# Altium PCB DC_PCB.PcbDoc
Units mm, origin at the board's own origin, x right, y up, seen from the top; angles counter-clockwise.
Board outline 128.78 x 80.39 mm, 2 copper layers (Top Layer, Bottom Layer); 60 components, 45 nets, 189 pads, 24 vias.
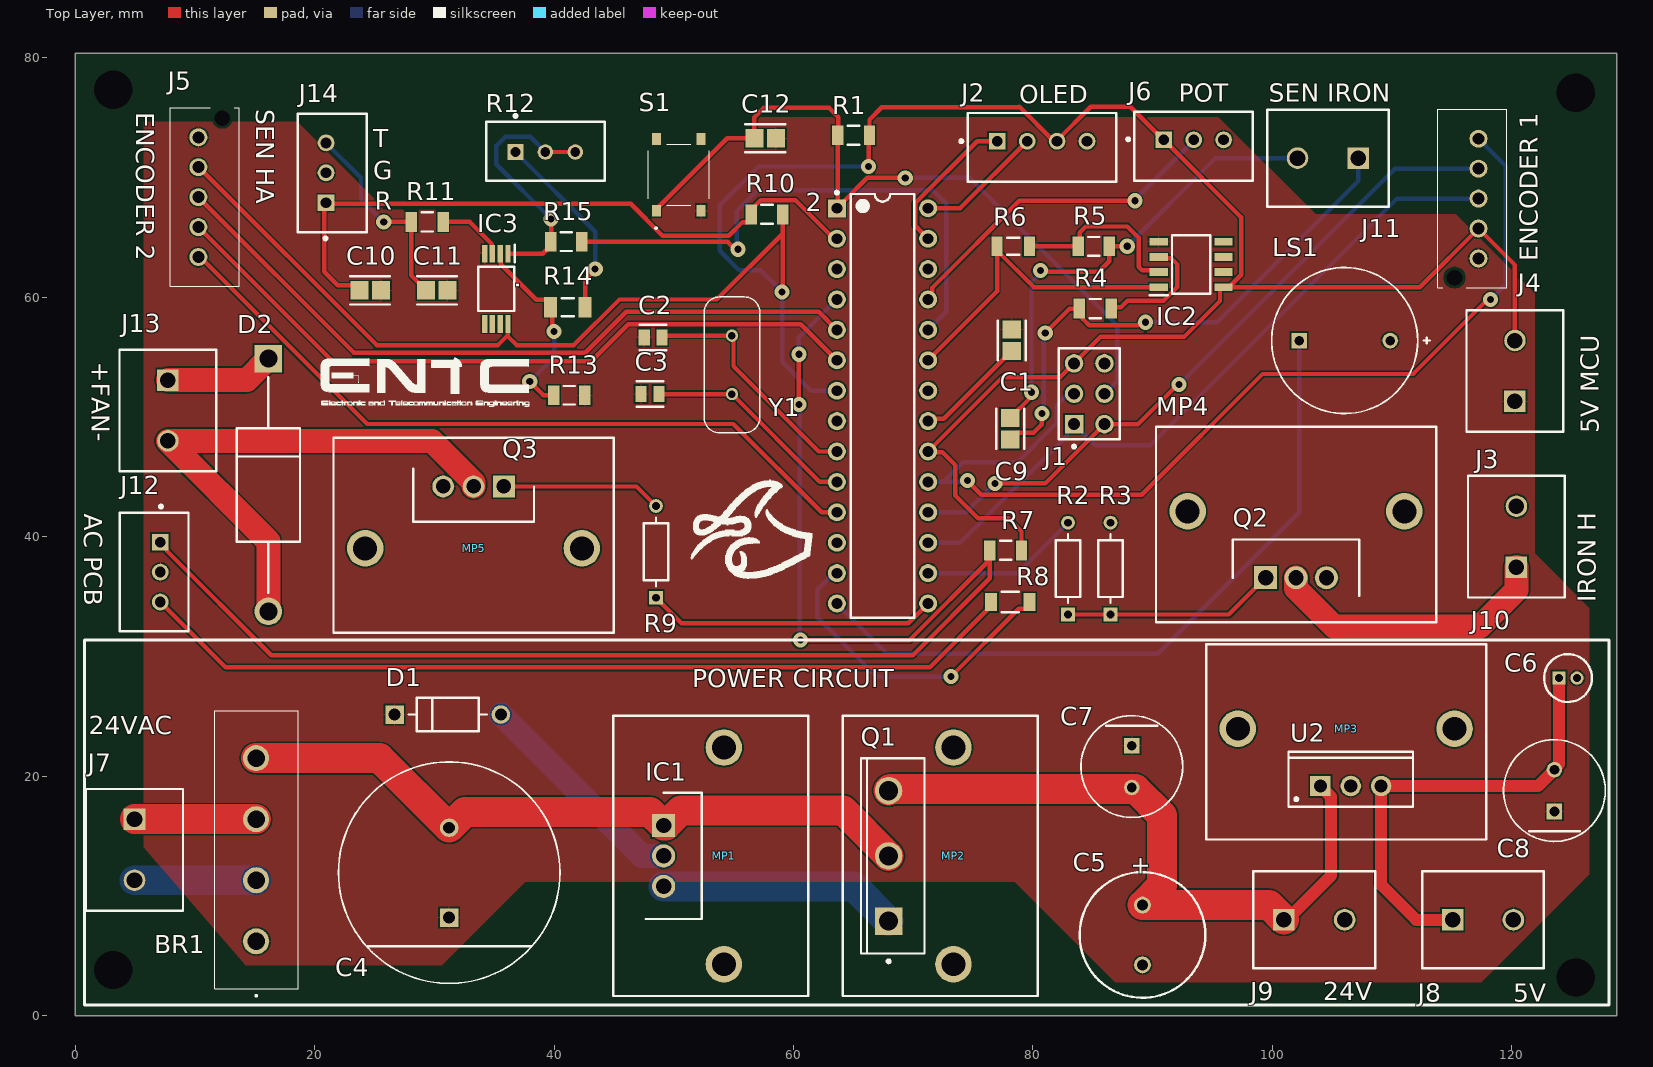
[diagram p0: Top Layer view]
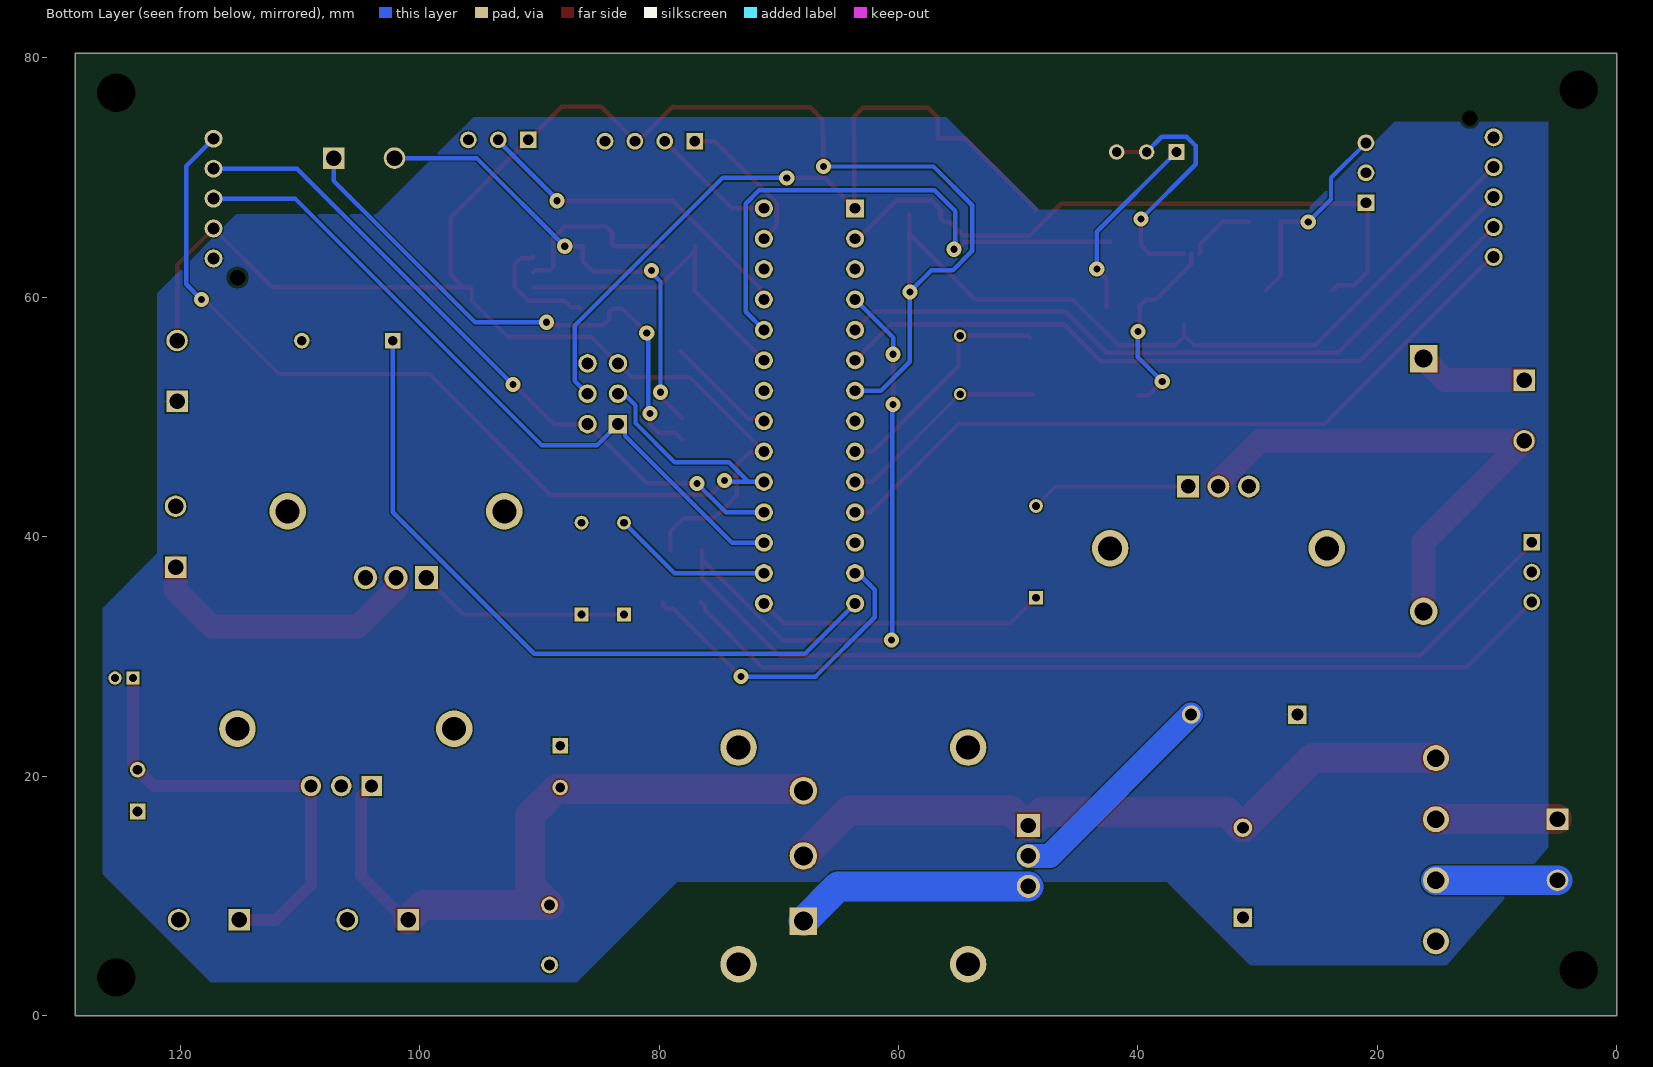
[diagram p1: Bottom Layer view, seen from below]
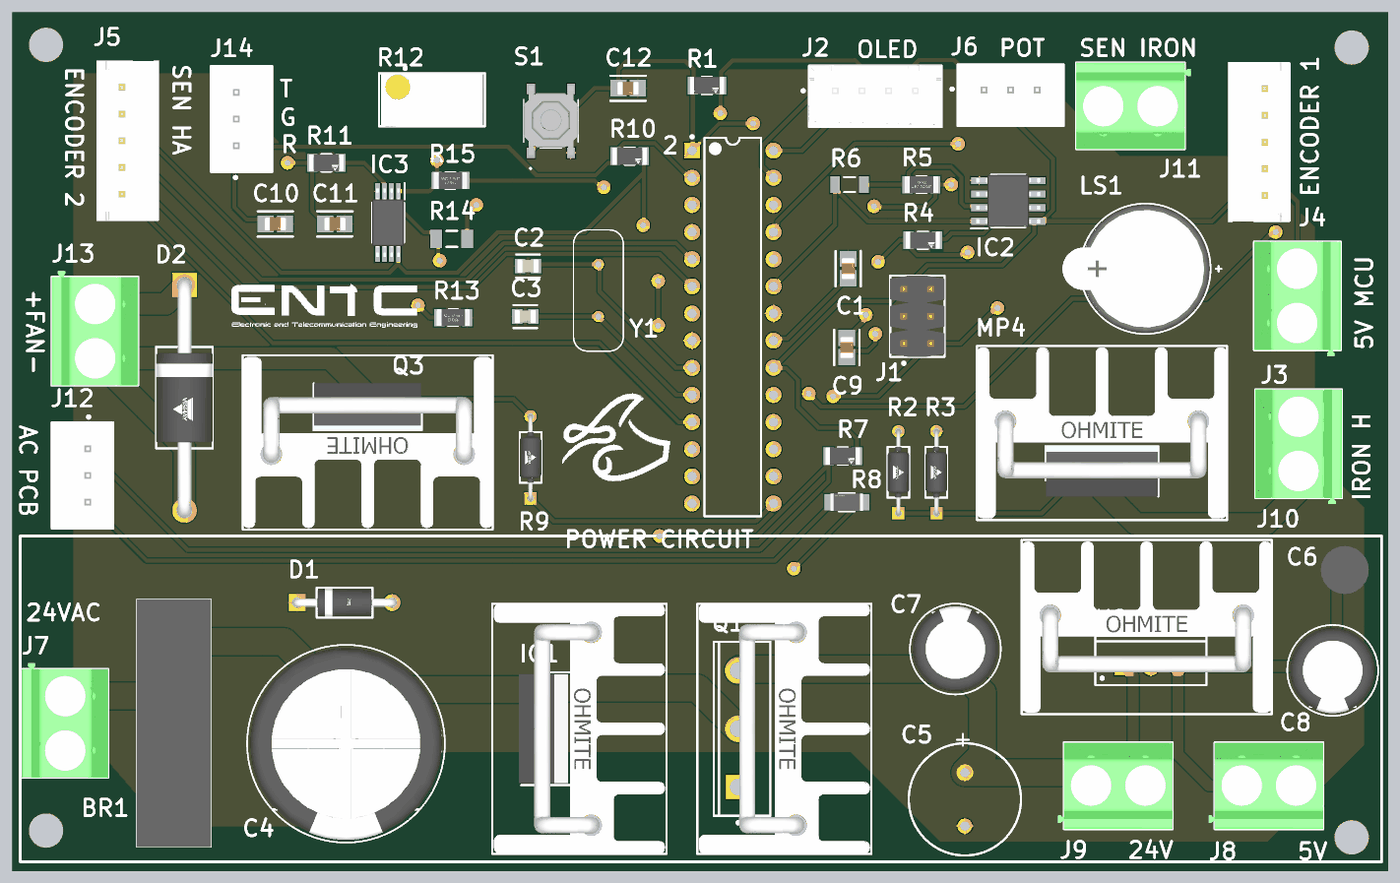
[diagram p2: 3D render of the assembled board from above, using the file's embedded part models]

## Layer stack, top to bottom
Top Solder: solder mask 0.0102, Solder Resist, Dk 3.5
Top Layer: signal copper 0.0356
Dielectric 1: dielectric 0.32, FR-4, Dk 4.8
Bottom Layer: signal copper 0.0356
Bottom Solder: solder mask 0.0102, Solder Resist, Dk 3.5

## Board outline
0,0 128.778,0 128.778,80.391 0,80.391

## Design rules (kind name [scope] priority, off if disabled: settings)
BoardOutlineClearance [All] p1: gap=0.2 ignorepadtopadclearanceinfootprint=FALSE
Clearance [All] p1: gap=0.127 ignorepadtopadclearanceinfootprint=FALSE except(0.25: Arc-Hole Track-Hole SMDPad-Hole THPad-Hole Via-Hole Fill-Hole Poly-Hole Region-Hole Text-Hole)
ComponentClearance [All] p1: gap=0.127 collisioncheckmode=3 verticalgap=0.127 showdistances=TRUE
DiffPairsRouting [All] p1: maxlimit=0.254 minlimit=0.127 mostfreqgap=0.127 toplayer_minwidth=0.127 toplayer_maxwidth=25.4 toplayer_prefwidth=0.127 bottomlayer_minwidth=0.127 bottomlayer_maxwidth=25.4 bottomlayer_prefwidth=0.127 maxuncoupledlength=12.7
Height [All] p1: minheight=0 maxheight=1816.048 prefheight=12.7
HoleSize [All] p1: absolutevalues=TRUE maxlimit=6.3 minlimit=0.3 maxpercent=80.000 minpercent=20.000
HoleToHoleClearance [All] p1: gap=0.25 allowstackedmicrovias=FALSE
MinimumAnnularRing [All] p1: minimumring=0.076
MinimumSolderMaskSliver [All] p1: minsoldermaskwidth=0
PlaneClearance [All] p1: clearance=0.127
PlaneConnect PlaneConnectPowerPads [InPadClass('PowerPads')] p1: planeconnectstyle=Direct reliefexpansion=0.508 reliefentries=4 reliefconductorwidth=0.254 reliefairgap=0.254
PlaneConnect [All] p2: pad.planeconnectstyle=Relief pad.reliefexpansion=0.3 pad.reliefentries=4 pad.reliefconductorwidth=0.127 pad.reliefairgap=0.127 via.planeconnectstyle=Direct via.reliefexpansion=0.3 via.reliefentries=4 via.reliefconductorwidth=0.127 via.reliefairgap=0.127
PolygonConnect PolygonConnectPowerPads [All vs (InPadClass('PowerPads'))] p1: connectstyle=Direct reliefconductorwidth=0.254 reliefentries=4 polygonreliefangle="90 Angle" airgapwidth=0.254
PolygonConnect [All] p2: thpad.connectstyle=Relief thpad.reliefconductorwidth=0.127 thpad.reliefentries=4 thpad.polygonreliefangle="90 Angle" thpad.airgapwidth=0.127 smdpad.connectstyle=Relief smdpad.reliefconductorwidth=0.127 smdpad.reliefentries=4 smdpad.polygonreliefangle="90 Angle" smdpad.airgapwidth=0.127 via.connectstyle=Direct via.reliefconductorwidth=0.127 via.reliefentries=4 via.polygonreliefangle="90 Angle" via.airgapwidth=0.127
RoutingVias [All] p1: holewidth=0.3 width=0.6 viastyle="Through Hole" minholewidth=0.3 minwidth=0.6 maxholewidth=0.6 maxwidth=6.6
SilkToSilkClearance [All] p1: silktosilkclearance=0
SilkToSolderMaskClearance [IsPad] p1: minsilkscreentomaskgap=0.127 clearancetoexposedcopper=TRUE
SolderMaskExpansion [All] p1: expansion=0.075 istentingtop=FALSE
Width [All] p1: maxlimit=25.4 minlimit=0.127 preferedwidth=0.371 minimp=50.000000 maximp=50.000000 favimp=50.000000
20 further rules are at their usual default settings.

## Classes and differential pairs
component class "Tem sensor hot air": C10 C11 IC3 J14 R10 R11 R12 R13 R14 R15
component class "Temperature sensor": C9 IC2 J11 R4 R5 R6
component class "Fan control hot air": D2 J13 MP5 Q3 R9
component class "Current control iron": J10 MP4 Q2 R2 R3
component class "AC circuit": J12 R7 R8
component class MCU: 2 C1 C2 C3 C12 J1 J2 J3 J4 J5 J6 LS1 R1 S1 Y1
component class "Power Circuit": BR1 C4 C5 C6 C7 C8 D1 IC1 J7 J8 J9 MP1 MP2 MP3 Q1 U2

## Components (designator, comment, footprint, x,y, rotation, side; value= is the part's Value field where it differs from the comment)
2 "ATmega328P-PU" 28P3 67.437,50.927 r0 top (schematic designator U1)
BR1 "KBU808" KBU808 15.113,6.203 r90 top
C1 "0805YC104M4T2A" FP-0805-L_2_01_0_2-W_1_25-IPC_A 78.232,56.405 r90 top
C2 "C0805C220J5GACTU" FP-C0805C-DN-MFG 48.272,56.642 r180 top value="22 pF"
C3 "C0805C220J5GACTU" FP-C0805C-DN-MFG 48.018,51.916 r180 top value="22 pF"
C4 "ECA1VHG472" FP-RAD-TH-D_18_0_5-L_35_5-MFG 31.242,11.938 r90 top
C5 "ECA-1HHG471" PNSC-CAP-10x20-P2 89.154,6.731 r270 top
C6 "ECEA1HKS0R1" CAPPRD150W50D400H600 123.952,28.194 r0 top
C7 "EEU-FR1H101B" FP-EEU-FR1H101B-MFG 88.265,20.8 r270 top
C8 "EEU-FR1H101B" FP-EEU-FR1H101B-MFG 123.571,18.796 r90 top
C9 "0805YC104M4T2A" FP-0805-L_2_01_0_2-W_1_25-IPC_A 78.105,49.022 r90 top
C10 "0805YC104M4T2A" FP-0805-L_2_01_0_2-W_1_25-IPC_A 24.638,60.579 r0 top
C11 "0805YC104M4T2A" FP-0805-L_2_01_0_2-W_1_25-IPC_A 30.209,60.579 r0 top
C12 "0805YC104M4T2A" FP-0805-L_2_01_0_2-W_1_25-IPC_A 57.641,73.279 r0 top
D1 "1N4007" FP-1N4007-MFG 31.115,25.146 r0 top value=15pF
D2 "UF5408-E3/54" FP-UF5408-E3-54-MFG 16.129,44.323 r270 top
IC1 "LM7824CT" TO254P470X1028X1955-3P 49.149,15.875 r270 top
IC2 "LM358MX" SOIC127P600X175-8N 93.218,62.738 r0 top
IC3 "MCP6022-I_ST" SOP65P640X120-8N 35.179,60.706 r270 top
J1 "90131-0763" FP-90131-0763-MFG 84.709,51.943 r90 top
J2 "B4B-XH-A(LF)(SN)" FP-B4B-XH-A_LF_SN-MFG 80.772,72.517 r180 top value=OLED
J3 "1729128" PHOE-1729128-2_V 120.269,53.848 r90 top
J4 "B5B-XH-AM__LF__SN_" B5BXHAMLFSN 117.221,63.246 r90 top
J5 "B5B-XH-AM__LF__SN_" B5BXHAMLFSN 10.287,73.366 r270 top
J6 "B3B-XH-A(LF)(SN)" FP-B3B-XH-A_LF_SN-MFG 93.432,72.627 r0 top
J7 "1729128" PHOE-1729128-2_V 4.953,13.843 r270 top
J8 "1729128" PHOE-1729128-2_V 117.602,8.001 r0 top
J9 "1729128" PHOE-1729128-2_V 103.505,8.001 r0 top
J10 "1729128" PHOE-1729128-2_V 120.396,40.005 r90 top
J11 "1729128" PHOE-1729128-2_V 104.648,71.628 r180 top
J12 "B3B-XH-A(LF)(SN)" FP-B3B-XH-A_LF_SN-MFG 6.587,37.044 r270 top
J13 "1729128" PHOE-1729128-2_V 7.747,50.546 r270 top
J14 "B3B-XH-A(LF)(SN)" FP-B3B-XH-A_LF_SN-MFG 21.48,70.398 r90 top
LS1 "AI-1223-TWT-5V-R" FP-AI-1223-TWT-5V-R-MFG 106.045,56.388 r180 top
MP1 "WV-T264-101E" FP-WV-T264-101E-MFG 53.086,13.335 r270 top
MP2 "WV-T264-101E" FP-WV-T264-101E-MFG 72.263,13.335 r270 top
MP3 "WV-T264-101E" FP-WV-T264-101E-MFG 106.172,22.86 r0 top
MP4 "WV-T264-101E" FP-WV-T264-101E-MFG 101.981,41.021 r0 top
MP5 "WV-T264-101E" FP-WV-T264-101E-MFG 33.274,40.132 r180 top
Q1 "TIP3055G" ONSC-TO-247-3-340L-02 67.945,13.335 r180 top
Q2 "IRF540N" TO254P469X1042X1967-3P 99.441,36.576 r0 top
Q3 "IRFZ44N" TO254P440X1000X1900-3P 35.814,44.196 r180 top
R1 "CRCW120610K0FKEA" FP-CRCW1206-e3-IPC_C 65.024,73.533 r0 top
R2 "CMF5073K200FHEB" FP-CMF50-0 82.931,37.338 r90 top value=100ohm
R3 "CMF5073K200FHEB" FP-CMF50-0 86.487,37.338 r90 top value=1K
R4 "CRCW120610K0FKEA" FP-CRCW1206-e3-IPC_C 85.217,59.055 r0 top
R5 "CRGCQ1206F1K0" FP-CRGCQ1206-IPC_C 85.09,64.262 r0 top value=1KΩ
R6 "CRCW1206120KFKEA" RESC3216X60X45LL10T20 78.359,64.262 r180 top
R7 "CRCW120610K0FKEA" FP-CRCW1206-e3-IPC_C 77.724,38.862 r0 top
R8 "AC1206FR-07220RL" FP-AC1206-MFG 78.105,34.544 r180 top value=220Ω
R9 "CMF5073K200FHEB" FP-CMF50-0 48.514,38.735 r90 top value=1K
R10 "CRCW120610K0FKEA" FP-CRCW1206-e3-IPC_C 57.785,66.929 r0 top
R11 "CRCW120610K0FKEA" FP-CRCW1206-e3-IPC_C 29.408,66.294 r0 top
R12 "67WR100KLF" FP-67W-MFG 39.283,72.201 r180 top
R13 "CRGCQ1206F1K0" FP-CRGCQ1206-IPC_C 41.275,51.816 r180 top value=1KΩ
R14 "CRCW1206100KFKEA" RESC3216X60X45NL10T20 41.148,59.182 r0 top
R15 "CRGCQ1206F470R" FP-CRGCQ1206-IPC_C 41.021,64.643 r180 top value=470Ω
S1 "TS-1187A-B-A-B" TS1187ABAB 50.419,70.231 r90 top
U2 "L7805CV" TO220 106.553,19.177 r0 top
Y1 "ECS-160-S-4" XTAL_ECS-160-20-4X 54.864,54.356 r90 top value=16MHz

## Footprints (in the part's own frame and the unit in brackets; to place one, negate y for a bottom-side part, rotate by r counter-clockwise, add the part's x,y. Pads: shape width x height; smd on the part's side, far side on the other; paste and mask are expansions set on the pad)
28P3 [mm] "28-Pin Plastic Dual In-Line Package (PDIP)"
  rect 1.5x1.5 hole 0.9: 1(-3.81,16.51)
  round 1.5 hole 0.9: 2(-3.81,13.97) 3(-3.81,11.43) 4(-3.81,8.89) 5(-3.81,6.35) 6(-3.81,3.81) 7(-3.81,1.27) 8(-3.81,-1.27) 9(-3.81,-3.81) 10(-3.81,-6.35) 11(-3.81,-8.89) 12(-3.81,-11.43) 13(-3.81,-13.97) 14(-3.81,-16.51) 15(3.81,-16.51) 16(3.81,-13.97) 17(3.81,-11.43) 18(3.81,-8.89) 19(3.81,-6.35) 20(3.81,-3.81) 21(3.81,-1.27) 22(3.81,1.27) 23(3.81,3.81) 24(3.81,6.35) 25(3.81,8.89) 26(3.81,11.43) 27(3.81,13.97) 28(3.81,16.51)
  silkscreen extent -3.93,-17.7 2.65,17.93, body extent -3.6,-17.65 3.6,17.65, height 4.58
B5BXHAMLFSN [mm]
  round 1.5 hole 1: 1(0,0) 2(2.5,0) 3(5,0) 4(7.5,0) 5(10,0)
  round 0.65 hole 1.3 unplated: MH1(-1.6,2)
  silkscreen extent -2.45,-2.35 12.45,3.4, body extent -2.45,-2.36 12.45,3.39, height 6.92
CAPPRD150W50D400H600 [mm]
  rect 1.1x1.1 hole 0.7: 1(0,0)
  round 1.1 hole 0.7: 2(1.5,0)
  silkscreen extent -1.25,-2 2.75,2, body extent -1.5,-2.24 3,2.24, height 6
FP-1N4007-MFG [mm]
  rect 1.55x1.55 hole 1 paste-2539.97 mask+0: 1(-4.44,0)
  round 1.55 hole 1 paste-2539.97 mask+0: 2(4.44,0)
  silkscreen extent -3.26,-1.4 3.26,1.4, body extent -5.32,-1.5 5.32,1.5, height 0.25
FP-67W-MFG [mm]
  rect 1.3x1.3 hole 0.8 paste-2539.97 mask+0: 1(2.5,0.065)
  round 1.3 hole 0.8 paste-2539.97 mask+0: 2(0,0.065) 3(-2.5,0.065)
  silkscreen extent -4.95,-3.07 4.95,2.47, body extent -5.05,-2.58 5.05,2.58, height 0.25
FP-0805-L_2_01_0_2-W_1_25-IPC_A [mm]
  rect 1.505x1.556 smd paste+0 mask+0: 1(-0.906,0) 2(0.906,0)
  silkscreen extent -1.66,-1.18 1.66,1.18, body extent -2.16,-1.28 2.16,1.28, height 0.25
FP-90131-0763-MFG [mm]
  rect 1.55x1.55 hole 1 paste-2539.97 mask+0: 1(-2.54,1.27)
  round 1.55 hole 1 paste-2539.97 mask+0: 2(-2.54,-1.27) 3(0,1.27) 4(0,-1.27) 5(2.54,1.27) 6(2.54,-1.27)
  silkscreen extent -4.53,-2.54 3.81,2.54, body extent -3.81,-2.54 3.81,2.54, height 9.65
FP-AC1206-MFG [mm]
  rect 1x1.5 smd paste+0 mask+0: 1(-1.6,0) 2(1.6,0)
  silkscreen extent -0.72,-0.85 0.72,0.85, body extent -2.2,-0.95 2.2,0.95, height 0.25
FP-AI-1223-TWT-5V-R-MFG [mm]
  rect 1.3x1.3 hole 0.8 paste-2539.97 mask+0: 1(3.8,0)
  round 1.3 hole 0.8 paste-2539.97 mask+0: 2(-3.8,0)
  silkscreen extent -7.1,-6.1 6.1,6.1, body extent -6.2,-6.2 6.2,6.2, height 0.25
FP-B3B-XH-A_LF_SN-MFG [mm]
  rect 1.4x1.4 hole 0.9 paste-2539.97 mask+0: 1(-2.5,0.525)
  round 1.4 hole 0.9 paste-2539.97 mask+0: 2(0,0.525) 3(2.5,0.525)
  silkscreen extent -5.6,-2.88 4.95,2.88, body extent -5.05,-2.98 5.05,2.98, height 0.25
FP-B4B-XH-A_LF_SN-MFG [mm]
  rect 1.4x1.4 hole 0.9 paste-2539.97 mask+0: 1(3.75,-0.525)
  round 1.4 hole 0.9 paste-2539.97 mask+0: 2(1.25,-0.525) 3(-1.25,-0.525) 4(-3.75,-0.525)
  silkscreen extent -6.2,-2.88 6.87,2.88, body extent -6.3,-2.98 6.3,2.98, height 0.25
FP-C0805C-DN-MFG [mm]
  rect 0.95x1.35 smd paste+0 mask+0: 1(-0.75,0) 2(0.75,0)
  silkscreen extent -1.1,-1.07 1.1,1.07, body extent -1.4,-0.85 1.4,0.85, height 0.25
FP-CMF50-0 [mm]
  rect 1.15x1.15 hole 0.65 paste-2539.97 mask+0: 1(-3.835,0)
  round 1.15 hole 0.65 paste-2539.97 mask+0: 2(3.835,0)
  silkscreen extent -2.86,-1.01 2.86,1.01, body extent -4.51,-1.11 4.51,1.11, height 0.25
FP-CRCW1206-e3-IPC_C [mm]
  rect 0.956x1.658 smd paste+0 mask+0: 1(-1.326,0) 2(1.326,0)
  silkscreen extent -0.47,-0.8 0.47,0.8, body extent -1.9,-0.97 1.9,0.97, height 0.25
FP-CRGCQ1206-IPC_C [mm]
  rect 0.956x1.61 smd paste+0 mask+0: 1(-1.301,0) 2(1.301,0)
  silkscreen extent -0.45,-0.77 0.45,0.77, body extent -1.88,-0.95 1.88,0.95, height 0.25
FP-EEU-FR1H101B-MFG [mm]
  rect 1.3x1.3 hole 0.8 paste-2539.97 mask+0: 1(-1.75,0)
  round 1.3 hole 0.8 paste-2539.97 mask+0: 2(1.75,0)
  silkscreen extent -4.25,-4.25 4.25,4.25, body extent -4.35,-4.35 4.35,4.35, height 0.25
FP-RAD-TH-D_18_0_5-L_35_5-MFG [mm]
  rect 1.55x1.55 hole 1 paste-2539.97 mask+0: 1(-3.75,0)
  round 1.55 hole 1 paste-2539.97 mask+0: 2(3.75,0)
  silkscreen extent -9.25,-9.25 9.25,9.25, body extent -9.35,-9.35 9.35,9.35, height 0.25
FP-UF5408-E3-54-MFG [mm]
  rect 2.3x2.3 hole 1.5 paste-2539.97 mask+0: 1(-10.558,0)
  round 2.3 hole 1.5 paste-2539.97 mask+0: 2(10.558,0)
  silkscreen extent -9.01,-2.65 9.01,2.65, body extent -11.81,-2.75 11.81,2.75, height 0.25
FP-WV-T264-101E-MFG [mm]
  round 3.05 hole 2 paste-2539.97 mask+0: 1(-9.05,1.1) 2(9.05,1.1)
  silkscreen extent -11.7,-8.15 11.7,8.15, body extent -11.8,-8.25 11.8,8.25, height 0.25
KBU808 [mm]
  round 2.175 hole 1.45: 1(0,0) 2(5.1,0) 3(10.2,0) 4(15.3,0)
  silkscreen extent -4.6,-3.5 19.25,3.45, body extent -3.95,-3.5 19.25,3.45, height 19.9
ONSC-TO-247-3-340L-02 [mm] "FM, 3-Leads, Body 16.3x5.3mm, Pitch 5.45mm"
  rect 2.3x2.3 hole 1.6: 1(0,5.45)
  round 2.3 hole 1.6: 2(0,0) 3(0,-5.45)
  silkscreen extent -3,-8.15 2.3,8.92, body extent -3,-8.15 2.3,8.15, height 25.58
PHOE-1729128-2_V [mm] "Receptacle, 2-Leads, Body 8.1x10.16mm, Pitch 5.08mm"
  rect 1.8x1.8 hole 1.3: 1(-2.54,0)
  round 1.8 hole 1.3: 2(2.54,0)
  silkscreen extent -5.08,-4.05 5.08,4.05, body extent -5.65,-4.05 5.08,4.05, height 10.01
PNSC-CAP-10x20-P2 [mm] "THD, 2-Leads, Dia 10.5mm, Body Length 22mm, Pin Spacing 5mm"
  round 1.4 hole 0.9: 1(-2.5,0) 2(2.5,0)
  silkscreen extent -5.25,-5.25 5.25,5.25, body extent -5.25,-5.25 5.25,5.25, height 22
RESC3216X60X45LL10T20 [mm] "Chip Resistor, 2-Leads, Body 3.20x1.60mm, IPC High Density"
  rect 0.9x1.6 smd: 1(-1.35,0) 2(1.35,0)
  silkscreen extent -0.5,-0.7 0.5,0.7, body extent -1.65,-0.85 1.65,0.85, height 0.6
RESC3216X60X45NL10T20 [mm] "Chip Resistor, 2-Leads, Body 3.20x1.60mm, IPC Medium Density"
  rect 1.1x1.7 smd: 1(-1.45,0) 2(1.45,0)
  silkscreen extent -0.5,-0.75 0.5,0.75, body extent -1.65,-0.85 1.65,0.85, height 0.6
SOIC127P600X175-8N [mm]
  rect 1.525x0.65 smd: 1(-2.712,-1.905) 2(-2.712,-0.635) 3(-2.712,0.635) 4(-2.712,1.905) 5(2.712,1.905) 6(2.712,0.635) 7(2.712,-0.635) 8(2.712,-1.905)
  silkscreen extent -3.47,-2.58 1.6,2.45, body extent -3,-2.45 3,2.45, height 1.75
SOP65P640X120-8N [mm]
  rect 1.475x0.45 smd: 1(-2.938,0.975) 2(-2.938,0.325) 3(-2.938,-0.325) 4(-2.938,-0.975) 5(2.938,-0.975) 6(2.938,-0.325) 7(2.938,0.325) 8(2.938,0.975)
  silkscreen extent -3.67,-1.5 1.85,1.55, body extent -3.2,-1.5 3.2,1.5, height 1.2
TO220 [mm] "TO, Thru-Hole, Vertical, Heatsink Mounted; 3 In-Line Leads; Pitch 2.54 mm"
  rect 1.7x1.7 hole 1.1: 1(-2.54,0)
  round 1.7 hole 1.1: 2(0,0) 3(2.54,0)
  silkscreen extent -5.2,-1.75 5.2,2.85, body extent -5.25,-1.8 5.25,2.9, height 19.7
TO254P440X1000X1900-3P [mm]
  rect 1.815x1.815 hole 1.21: 1(0,0)
  round 1.815 hole 1.21: 2(2.54,0) 3(5.08,0)
  silkscreen extent -2.51,-1.47 7.59,2.93, body extent -2.46,-1.47 7.54,2.93, height 18.6
TO254P469X1042X1967-3P [mm]
  rect 1.92x1.92 hole 1.28: 1(0,0)
  round 1.92 hole 1.28: 2(2.54,0) 3(5.08,0)
  silkscreen extent -2.73,-1.5 7.81,3.19, body extent -2.67,-1.5 7.75,3.19, height 18.84
TO254P470X1028X1955-3P [mm]
  rect 1.935x1.935 hole 1.29: 1(0,0)
  round 1.935 hole 1.29: 2(2.54,0) 3(5.08,0)
  silkscreen extent -2.73,-1.5 7.81,3.2, body extent -2.54,-1.71 7.62,2.86, height 18.74
TS1187ABAB [mm]
  rect 1x0.75 smd: A1(-3,1.875) B1(3,1.875) C1(-3,-1.875) D1(3,-1.875)
  silkscreen extent -4.5,-2.55 2.55,2.55, body extent -3.2,-2.55 3.3,2.55, height 1.5
XTAL_ECS-160-20-4X [mm]
  round 1.03 hole 0.63: 1(-2.44,0) 2(2.44,0)
  silkscreen extent -5.68,-2.33 5.68,2.33

## Part data
2: library part CMP-0095-00013-2, "8-bit AVR Microcontroller, 32KB Flash, 1KB EEPROM, 2KB SRAM, 28-pin PDIP, Industrial Grade (-40°C to 85°C)", ComponentLink1Description="Manufacturer URL", ComponentLink1URL=http://www.atmel.com/, ComponentLink2Description="ATmega48A/48PA/88A/88PA/168A/168PA/328/328P Datasheet", ComponentLink2URL=http://www.atmel.com/dyn/resources/prod_documents/8271.pdf, ComponentLink3Description="ATmega48A/48PA/88A/88PA/168A/168PA/328/328P Summary", ComponentLink3URL=http://www.atmel.com/dyn/resources/prod_documents/8271S.pdf, DatasheetVersion="revD, May-2011", PackageDescription="28-lead (0.300\"/7.62mm Wide) Plastic Dual Inline Package (PDIP)", PackageReference=28P3, PackageVersion="revB, Sep-2001", RevisionNote="DatasheetVersion updated. URLs added."
BR1: "Bridge Rectifier", Manufacturer_Name=MDD, Datasheet Link=https://datasheet.lcsc.com/szlcsc/MDD-Jiangsu-Yutai-Elec-KBU808_C3087.pdf, Height=19.8mm, Manufacturer_Part_Number=KBU808
C1 C9 C10 C11 C12: library part CMP-04427-015812-1, "Automotive Ceramic Capacitor, 0805, 100nF, 20%, X7R, 0.15, 16V", Capacitance=100nF, Case Code (Imperial)=0805, Case Code (Metric)=2012, Dielectric=X7R, Max Operating Temperature=125°C, Min Operating Temperature=-55°C, Package Quantity=4000, Ratings=AEC-Q200, Tolerance=20%, Voltage Rating=16V, Case/Package=0805, Height=0.94mm, Length=0.079inch, Mount="Surface Mount", Packaging="Tape and Reel", Termination=SMD/SMT, Thickness=0.037inch, Voltage Rating (DC)=16V, Weight=0.000194oz, Width=1.25mm
C2 C3: library part CMP-2007-00048-2, "Capacitor; Ceramic; Cap; 22.0pF; Tol 5%; SMT; Vol-Rtg 50V; C0G; Tape and Reel", Capacitance="22 pF", Manufacturer=KEMET, Package=C0805C-DN, Temperature="-55°C to +125°C", Temperature Characteristic=C0G, Temperature Coefficient=30ppm/°C, Temperature Range High=+125°C, Temperature Range Low=-55°C, Tolerance=0.05, Voltage Rating="50 V", Automotive=No, Category=Cap, ComponentLink2Description=Datasheet, ComponentLink2URL=https://content.kemet.com/datasheets/KEM_C1003_C0G_SMD.pdf, Device Class L1="Passive Components", Device Class L2=Capacitors, Device Class L3="Ceramic Capacitors", Digikey Description="Capacitor; Ceramic; Cap; 22.0pF; Tol 5%; SMT; Vol-Rtg 50V; C0G; Tape and Reel", Height=0.88mm, Ipc Land Pattern Name=CAPC200125X78, Lead Free=Yes, Manufacturer Part Number=C0805C220J5GACTU, Material=Ceramic, Mouser Description="Multilayer Ceramic Capacitors MLCC - SMD/SMT 50volts 22pF C0G 5%", Octopart=https://octopart.com/c0805c220j5gactu-kemet-145470, RoHS=TRUE
C4: library part CMP-05427-001627-1, "Aluminum Electrolytic Capacitors (Radial Lead Type) AEC-Q200 Qualified 4700uF ±20% 35V", Capacitance=4.7mF, Case/Package=Radial, Leakage Current=3uA, Max Operating Temperature=105°C, Min Operating Temperature=-55°C, Package Quantity=50, Ripple Current=1.91A, Tolerance=20%, Voltage=35V, Construction=RADIAL, Contact Plating=Tin, Diameter=18mm, Dissipation Factor=0.2%, Features="General Purpose", Height=35.5mm, Height - Seated (Max)=1.398inch, Lead Diameter=0.8mm, Lead Pitch=7.5mm, Lead/Base Style=Straight, Length=35.5mm, Life (Hours)=2000Hour, Mount="Through Hole", Number of Pins=2, Packaging=Bulk, Radiation Hardening=No, REACH SVHC="No SVHC", Ripple Current (AC)=1.91A, RoHS Compliant=Yes, Series=NHG, Termination=Radial, Voltage Rating=35V, Voltage Rating (DC)=35V
C5: library part CMP-2000-05308-1, "Aluminum Electrolytic Capacitor, 470 uF, +/- 20%, 50 V, -55 to 105 degC, 2-Pin THD, RoHS, Bulk", Capacitance=470µF, Case Size/Dimension=Ø10x20mm, Lifetime@Temperature=2000Hrs@105degC, Manufacturer=Panasonic, Operating Temp Range=-55to+105degC, Operating Temp-Max=105degC, Package Description="2-Pin Through Hole Device, Dia 10 mm, Body Length 20 mm, Pin Spacing 5 mm", Package Reference=CAP-10x20-P2, Package Version=Nov-12, Rated Voltage=50V, Ripple Current=530mA, Datasheet URL=http://www.alliedelec.com/images/products/datasheets/bm/Panasonic/70067776.pdf, Datasheet Version=Nov-12, Manufacturer URL=http://www.panasonic.com/, Package URL=http://www.alliedelec.com/images/products/datasheets/bm/Panasonic/70067776.pdf, Series=NHG, Type=Radial